# Altium PCB SEG_pressure gauge_don  V2.3.PcbDoc (part 4 of 4)
Units mil, origin at the board's own origin, x right, y up, seen from the top; angles counter-clockwise.
Board outline 2755.91 x 2755.91 mil, 2 copper layers (Top Layer, Bottom Layer); 36 components, 44 nets, 129 pads, 10 vias.
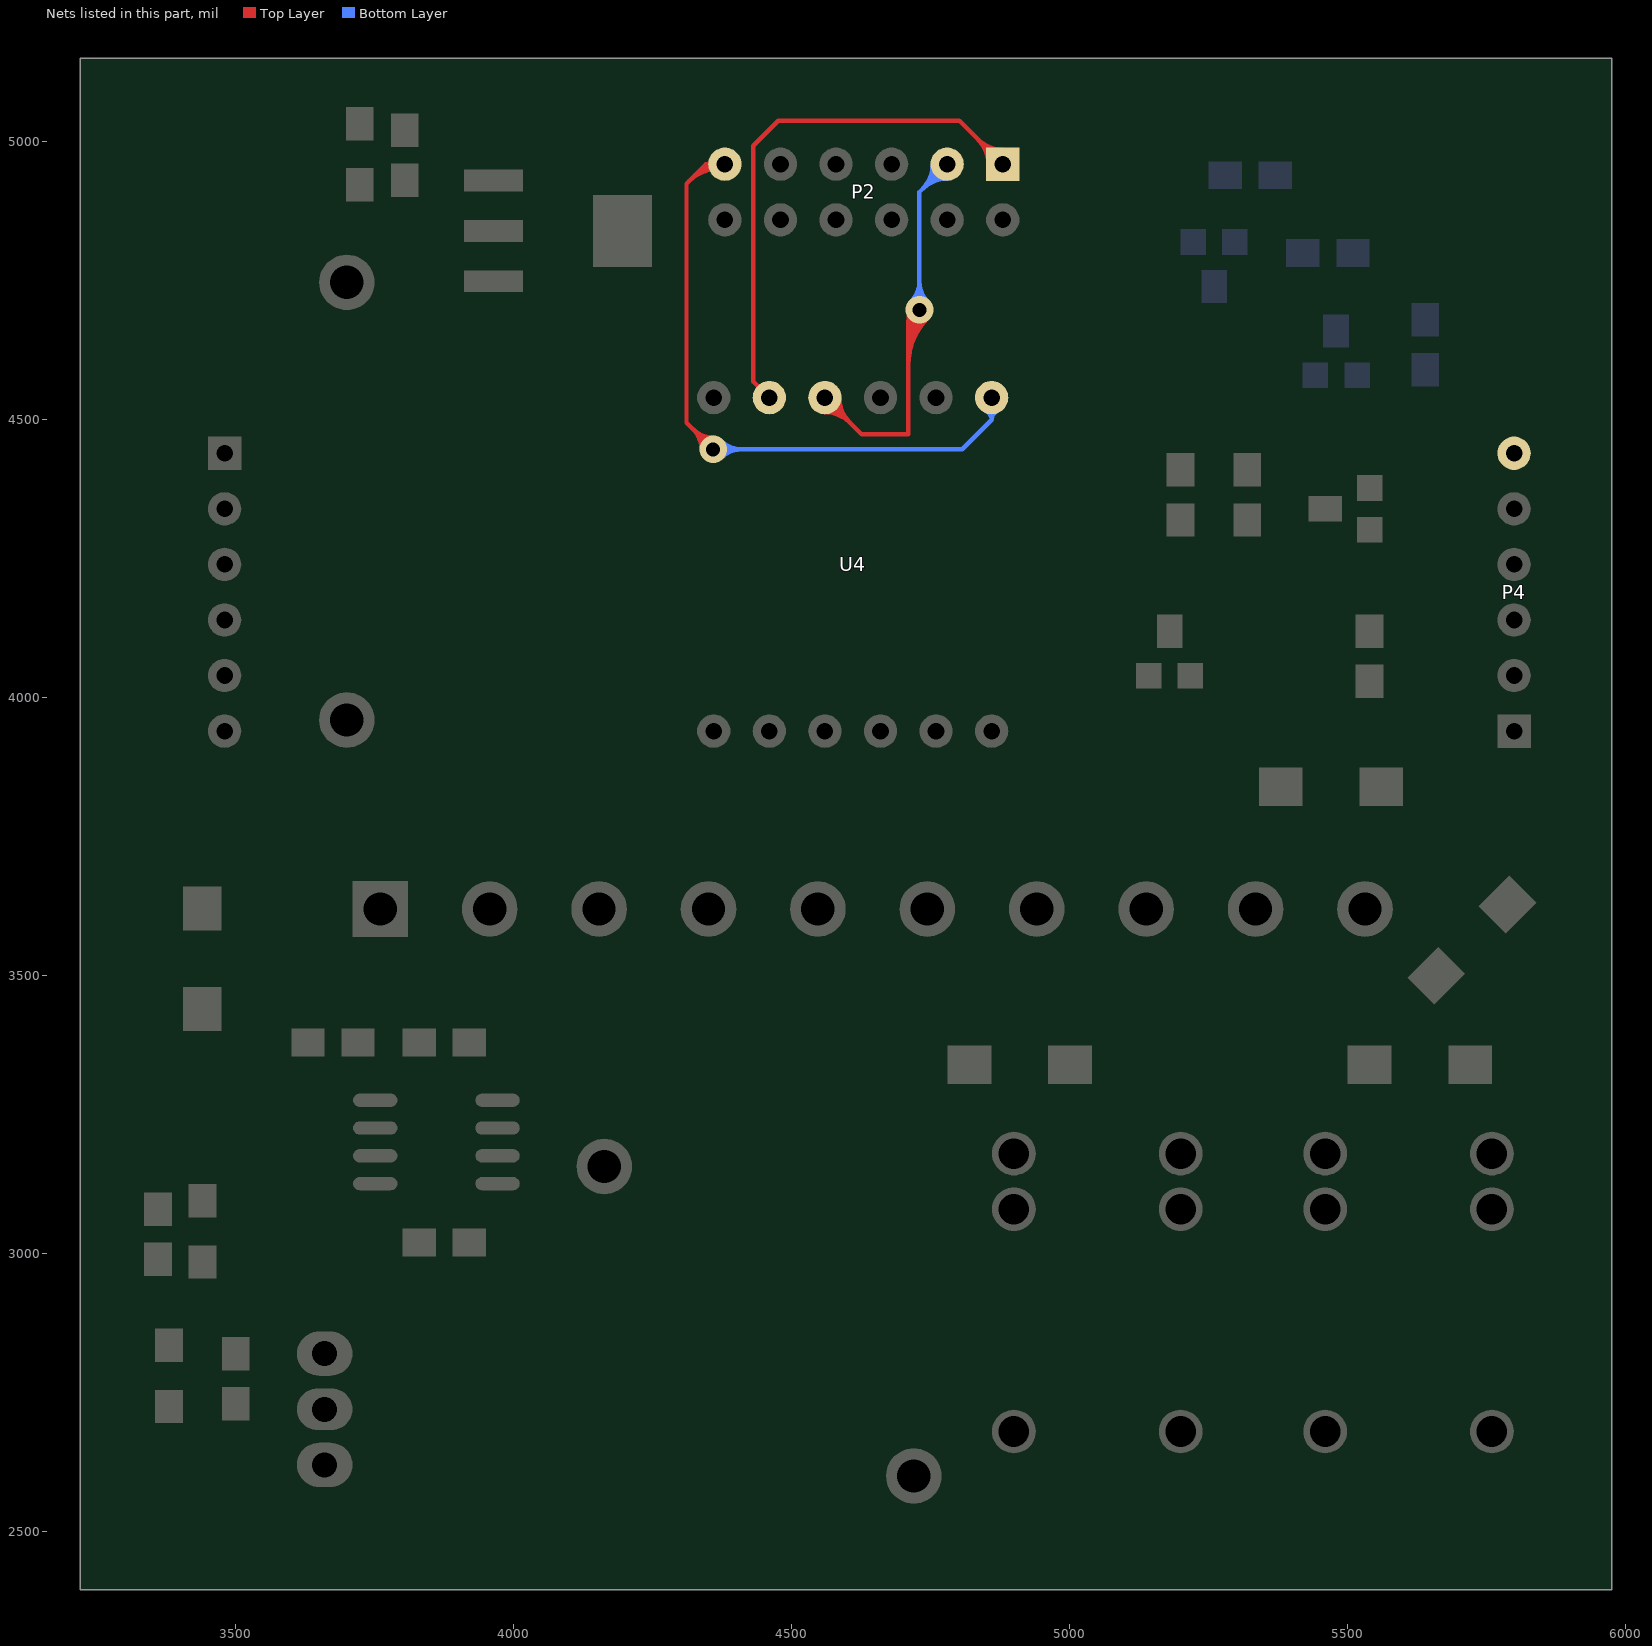
[diagram p4: the nets of this part, all layers, seen from the top]

## Via types
v1: diameter 50, hole 28, Top Layer to Bottom Layer, 7 vias
v2: diameter 50, hole 25, Top Layer to Bottom Layer, 2 vias
v3: diameter 31.5, hole 19.68, Top Layer to Bottom Layer, 1 vias

## Nets (pads, with @x,y where several pads share a name; then routed paths per layer and width w, separated by ;. In a path a pad name is that pad's centre, name@x,y a point inside that pad or via, vN(x,y) a via of type N, cw(c..) or ccw(c..) an arc to the next point about the centre after c; other vN are vias at no path point) (continued)
SEG9: P2.6 U4.1 | length 3499
  Top Layer w8: v2(4359,4447) 4311,4495 4311,4925 4346,4960 P2.6@4380,4960 ; 4316.06,4930.06 cw(c4366.79,4879.34) P2.6@4378.38,4950.13 ; 4316.06,4930.06 cw(c4366.79,4879.34) P2.6@4378.38,4950.13 ; 4316.06,4930.06 cw(c4366.79,4879.34) P2.6@4378.38,4950.13 ; 4316.06,4930.06 cw(c4366.79,4879.34) P2.6@4378.38,4950.13 ; 4316.06,4930.06 cw(c4366.79,4879.34) P2.6@4378.38,4950.13 ; 4323.15,4482.85 cw(c4287.3,4447) v2@4338,4447 ; 4323.15,4482.85 ccw(c4359,4518.7) v2@4359,4468 ; 4323.15,4482.85 cw(c4287.3,4447) v2@4338,4447 ; 4323.15,4482.85 ccw(c4359,4518.7) v2@4359,4468 ; 4323.15,4482.85 cw(c4287.3,4447) v2@4338,4447 ; 4323.15,4482.85 ccw(c4359,4518.7) v2@4359,4468 ; 4323.15,4482.85 ccw(c4359,4518.7) v2@4359,4468 ; 4323.15,4482.85 cw(c4287.3,4447) v2@4338,4447 ; 4323.15,4482.85 ccw(c4359,4518.7) v2@4359,4468 ; 4323.15,4482.85 cw(c4287.3,4447) v2@4338,4447 ; 4327.09,4941.09 cw(c4369.89,4898.3) P2.6@4379.68,4958.03 ; 4327.09,4941.09 cw(c4369.89,4898.3) P2.6@4379.68,4958.03 ; 4327.09,4941.09 cw(c4369.89,4898.3) P2.6@4379.68,4958.03 ; 4327.09,4941.09 cw(c4369.89,4898.3) P2.6@4379.68,4958.03 ; 4327.09,4941.09 cw(c4369.89,4898.3) P2.6@4379.68,4958.03 ; 4336.81,4469.19 cw(c4314.62,4447) v2@4346,4447 ; 4336.81,4469.19 ccw(c4359,4491.38) v2@4359,4460 ; 4336.81,4469.19 cw(c4314.62,4447) v2@4346,4447 ; 4336.81,4469.19 ccw(c4359,4491.38) v2@4359,4460 ; 4336.81,4469.19 cw(c4314.62,4447) v2@4346,4447 ; 4336.81,4469.19 ccw(c4359,4491.38) v2@4359,4460 ; 4336.81,4469.19 ccw(c4359,4491.38) v2@4359,4460 ; 4336.81,4469.19 cw(c4314.62,4447) v2@4346,4447 ; 4336.81,4469.19 ccw(c4359,4491.38) v2@4359,4460 ; 4336.81,4469.19 cw(c4314.62,4447) v2@4346,4447 ; 4338.12,4952.12 cw(c4373,4917.25) P2.6@4380.97,4965.92 ; 4338.12,4952.12 cw(c4373,4917.25) P2.6@4380.97,4965.92 ; 4338.12,4952.12 cw(c4373,4917.25) P2.6@4380.97,4965.92 ; 4338.12,4952.12 cw(c4373,4917.25) P2.6@4380.97,4965.92 ; 4338.12,4952.12 cw(c4373,4917.25) P2.6@4380.97,4965.92
  Bottom Layer w8: v2(4359,4447) 4807,4447 4860,4500 ; U4.1@4860,4540 4860,4500 ; v2@4368.19,4437.81 cw(c4390.38,4415.62) 4390.38,4447 ; v2@4368.19,4437.81 cw(c4390.38,4415.62) 4390.38,4447 ; v2@4368.19,4437.81 cw(c4390.38,4415.62) 4390.38,4447 ; v2@4368.19,4437.81 cw(c4390.38,4415.62) 4390.38,4447 ; v2@4368.19,4437.81 cw(c4390.38,4415.62) 4390.38,4447 ; v2@4368.19,4456.19 ccw(c4390.38,4478.38) 4390.38,4447 ; v2@4368.19,4456.19 ccw(c4390.38,4478.38) 4390.38,4447 ; v2@4368.19,4456.19 ccw(c4390.38,4478.38) 4390.38,4447 ; v2@4368.19,4456.19 ccw(c4390.38,4478.38) 4390.38,4447 ; v2@4368.19,4456.19 ccw(c4390.38,4478.38) 4390.38,4447 ; v2@4373.85,4432.15 cw(c4409.7,4396.3) 4409.7,4447 ; v2@4373.85,4432.15 cw(c4409.7,4396.3) 4409.7,4447 ; v2@4373.85,4432.15 cw(c4409.7,4396.3) 4409.7,4447 ; v2@4373.85,4432.15 cw(c4409.7,4396.3) 4409.7,4447 ; v2@4373.85,4432.15 cw(c4409.7,4396.3) 4409.7,4447 ; v2@4373.85,4461.85 ccw(c4409.7,4497.7) 4409.7,4447 ; v2@4373.85,4461.85 ccw(c4409.7,4497.7) 4409.7,4447 ; v2@4373.85,4461.85 ccw(c4409.7,4497.7) 4409.7,4447 ; v2@4373.85,4461.85 ccw(c4409.7,4497.7) 4409.7,4447 ; v2@4373.85,4461.85 ccw(c4409.7,4497.7) 4409.7,4447 ; U4.1@4849.45,4516.24 cw(c4842.23,4500) 4860,4500 ; U4.1@4849.45,4516.24 cw(c4842.23,4500) 4860,4500 ; U4.1@4849.45,4516.24 cw(c4842.23,4500) 4860,4500 ; U4.1@4849.45,4516.24 cw(c4842.23,4500) 4860,4500 ; U4.1@4849.45,4516.24 cw(c4842.23,4500) 4860,4500 ; 4860,4500 cw(c4877.77,4500) U4.1@4870.55,4516.24 ; 4860,4500 cw(c4877.77,4500) U4.1@4870.55,4516.24 ; 4860,4500 cw(c4877.77,4500) U4.1@4870.55,4516.24 ; 4860,4500 cw(c4877.77,4500) U4.1@4870.55,4516.24 ; 4860,4500 cw(c4877.77,4500) U4.1@4870.55,4516.24
SEG10: P2.2 U4.2 | length 4583.4
  Top Layer w8: U4.2@4560,4540 4626,4474 4710,4474 4710,4678 v2(4730,4698) ; U4.2@4560,4514 cw(c4560,4451.23) 4604.38,4495.62 ; U4.2@4560,4514 cw(c4560,4451.23) 4604.38,4495.62 ; U4.2@4560,4514 cw(c4560,4451.23) 4604.38,4495.62 ; U4.2@4560,4514 cw(c4560,4451.23) 4604.38,4495.62 ; U4.2@4560,4514 cw(c4560,4451.23) 4604.38,4495.62 ; U4.2@4560,4522 cw(c4560,4478.54) 4590.73,4509.27 ; U4.2@4560,4522 cw(c4560,4478.54) 4590.73,4509.27 ; U4.2@4560,4522 cw(c4560,4478.54) 4590.73,4509.27 ; U4.2@4560,4522 cw(c4560,4478.54) 4590.73,4509.27 ; U4.2@4560,4522 cw(c4560,4478.54) 4590.73,4509.27 ; U4.2@4578,4540 ccw(c4621.46,4540) 4590.73,4509.27 ; U4.2@4578,4540 ccw(c4621.46,4540) 4590.73,4509.27 ; U4.2@4578,4540 ccw(c4621.46,4540) 4590.73,4509.27 ; U4.2@4578,4540 ccw(c4621.46,4540) 4590.73,4509.27 ; U4.2@4578,4540 ccw(c4621.46,4540) 4590.73,4509.27 ; U4.2@4586,4540 ccw(c4648.77,4540) 4604.38,4495.62 ; U4.2@4586,4540 ccw(c4648.77,4540) 4604.38,4495.62 ; U4.2@4586,4540 ccw(c4648.77,4540) 4604.38,4495.62 ; U4.2@4586,4540 ccw(c4648.77,4540) 4604.38,4495.62 ; U4.2@4586,4540 ccw(c4648.77,4540) 4604.38,4495.62 ; 4710,4599.02 cw(c4828.98,4599.02) v2@4744.85,4683.15 ; 4710,4599.02 cw(c4828.98,4599.02) v2@4744.85,4683.15 ; 4710,4599.02 cw(c4828.98,4599.02) v2@4744.85,4683.15 ; 4710,4599.02 cw(c4828.98,4599.02) v2@4744.85,4683.15 ; 4710,4599.02 cw(c4828.98,4599.02) v2@4744.85,4683.15 ; 4710,4618.33 cw(c4809.67,4618.33) v2@4739.19,4688.81 ; 4710,4618.33 cw(c4809.67,4618.33) v2@4739.19,4688.81 ; 4710,4618.33 cw(c4809.67,4618.33) v2@4739.19,4688.81 ; 4710,4618.33 cw(c4809.67,4618.33) v2@4739.19,4688.81 ; 4710,4618.33 cw(c4809.67,4618.33) v2@4739.19,4688.81 ; 4710,4637.64 cw(c4790.36,4637.64) v2@4733.54,4694.46 ; 4710,4637.64 cw(c4790.36,4637.64) v2@4733.54,4694.46 ; 4710,4637.64 cw(c4790.36,4637.64) v2@4733.54,4694.46 ; 4710,4637.64 cw(c4790.36,4637.64) v2@4733.54,4694.46 ; 4710,4637.64 cw(c4790.36,4637.64) v2@4733.54,4694.46 ; 4710,4656.96 cw(c4771.04,4656.96) v2@4727.88,4700.12 ; 4710,4656.96 cw(c4771.04,4656.96) v2@4727.88,4700.12 ; 4710,4656.96 cw(c4771.04,4656.96) v2@4727.88,4700.12 ; 4710,4656.96 cw(c4771.04,4656.96) v2@4727.88,4700.12 ; 4710,4656.96 cw(c4771.04,4656.96) v2@4727.88,4700.12 ; 4710,4676.27 cw(c4751.73,4676.27) v2@4722.22,4705.78 ; 4710,4676.27 cw(c4751.73,4676.27) v2@4722.22,4705.78 ; 4710,4676.27 cw(c4751.73,4676.27) v2@4722.22,4705.78 ; 4710,4676.27 cw(c4751.73,4676.27) v2@4722.22,4705.78 ; 4710,4676.27 cw(c4751.73,4676.27) v2@4722.22,4705.78
  Bottom Layer w8: v2(4730,4698) 4730,4910 P2.2@4780,4960 ; v2@4715.15,4712.85 ccw(c4679.3,4748.7) 4730,4748.7 ; v2@4715.15,4712.85 ccw(c4679.3,4748.7) 4730,4748.7 ; v2@4715.15,4712.85 ccw(c4679.3,4748.7) 4730,4748.7 ; v2@4715.15,4712.85 ccw(c4679.3,4748.7) 4730,4748.7 ; v2@4715.15,4712.85 ccw(c4679.3,4748.7) 4730,4748.7 ; v2@4720.81,4707.19 ccw(c4698.62,4729.38) 4730,4729.38 ; v2@4720.81,4707.19 ccw(c4698.62,4729.38) 4730,4729.38 ; v2@4720.81,4707.19 ccw(c4698.62,4729.38) 4730,4729.38 ; v2@4720.81,4707.19 ccw(c4698.62,4729.38) 4730,4729.38 ; v2@4720.81,4707.19 ccw(c4698.62,4729.38) 4730,4729.38 ; 4730,4729.38 ccw(c4761.38,4729.38) v2@4739.19,4707.19 ; 4730,4729.38 ccw(c4761.38,4729.38) v2@4739.19,4707.19 ; 4730,4729.38 ccw(c4761.38,4729.38) v2@4739.19,4707.19 ; 4730,4729.38 ccw(c4761.38,4729.38) v2@4739.19,4707.19 ; 4730,4729.38 ccw(c4761.38,4729.38) v2@4739.19,4707.19 ; 4730,4748.7 ccw(c4780.7,4748.7) v2@4744.85,4712.85 ; 4730,4748.7 ccw(c4780.7,4748.7) v2@4744.85,4712.85 ; 4730,4748.7 ccw(c4780.7,4748.7) v2@4744.85,4712.85 ; 4730,4748.7 ccw(c4780.7,4748.7) v2@4744.85,4712.85 ; 4730,4748.7 ccw(c4780.7,4748.7) v2@4744.85,4712.85 ; 4735.62,4915.62 cw(c4780,4871.23) P2.2@4780,4934 ; 4735.62,4915.62 ccw(c4691.23,4960) P2.2@4754,4960 ; 4735.62,4915.62 cw(c4780,4871.23) P2.2@4780,4934 ; 4735.62,4915.62 ccw(c4691.23,4960) P2.2@4754,4960 ; 4735.62,4915.62 cw(c4780,4871.23) P2.2@4780,4934 ; 4735.62,4915.62 ccw(c4691.23,4960) P2.2@4754,4960 ; 4735.62,4915.62 ccw(c4691.23,4960) P2.2@4754,4960 ; 4735.62,4915.62 cw(c4780,4871.23) P2.2@4780,4934 ; 4735.62,4915.62 ccw(c4691.23,4960) P2.2@4754,4960 ; 4735.62,4915.62 cw(c4780,4871.23) P2.2@4780,4934 ; 4749.27,4929.27 cw(c4780,4898.54) P2.2@4780,4942 ; 4749.27,4929.27 ccw(c4718.54,4960) P2.2@4762,4960 ; 4749.27,4929.27 cw(c4780,4898.54) P2.2@4780,4942 ; 4749.27,4929.27 ccw(c4718.54,4960) P2.2@4762,4960 ; 4749.27,4929.27 cw(c4780,4898.54) P2.2@4780,4942 ; 4749.27,4929.27 ccw(c4718.54,4960) P2.2@4762,4960 ; 4749.27,4929.27 ccw(c4718.54,4960) P2.2@4762,4960 ; 4749.27,4929.27 cw(c4780,4898.54) P2.2@4780,4942 ; 4749.27,4929.27 ccw(c4718.54,4960) P2.2@4762,4960 ; 4749.27,4929.27 cw(c4780,4898.54) P2.2@4780,4942
SEG11: P2.1 U4.3 | length 1799.3
  Top Layer w8: U4.3@4460,4540 4431,4569 4431,4993 4476,5038 4802,5038 P2.1@4880,4960 ; 4835.62,5004.38 cw(c4791.23,4960) P2.1@4854,4960 ; 4835.62,5004.38 ccw(c4880,5048.77) P2.1@4880,4986 ; 4835.62,5004.38 cw(c4791.23,4960) P2.1@4854,4960 ; 4835.62,5004.38 ccw(c4880,5048.77) P2.1@4880,4986 ; 4835.62,5004.38 cw(c4791.23,4960) P2.1@4854,4960 ; 4835.62,5004.38 ccw(c4880,5048.77) P2.1@4880,4986 ; 4835.62,5004.38 ccw(c4880,5048.77) P2.1@4880,4986 ; 4835.62,5004.38 cw(c4791.23,4960) P2.1@4854,4960 ; 4835.62,5004.38 ccw(c4880,5048.77) P2.1@4880,4986 ; 4835.62,5004.38 cw(c4791.23,4960) P2.1@4854,4960 ; 4849.27,4990.73 cw(c4818.54,4960) P2.1@4862,4960 ; 4849.27,4990.73 ccw(c4880,5021.46) P2.1@4880,4978 ; 4849.27,4990.73 cw(c4818.54,4960) P2.1@4862,4960 ; 4849.27,4990.73 ccw(c4880,5021.46) P2.1@4880,4978 ; 4849.27,4990.73 cw(c4818.54,4960) P2.1@4862,4960 ; 4849.27,4990.73 ccw(c4880,5021.46) P2.1@4880,4978 ; 4849.27,4990.73 ccw(c4880,5021.46) P2.1@4880,4978 ; 4849.27,4990.73 cw(c4818.54,4960) P2.1@4862,4960 ; 4849.27,4990.73 ccw(c4880,5021.46) P2.1@4880,4978 ; 4849.27,4990.73 cw(c4818.54,4960) P2.1@4862,4960
TX: P4.6
pads on no net: K1.2 K2.2 P2.3 U2.4 U4.6

## Polygon pours and split planes (outlines as drawn)
CHUAN- on Top Layer "Bottom Layer-No Net" (solid, remove dead copper, pour order 1000): 4497,1536 4887,1926 6397,1926 6397,3412 6941,3956 6446,4451 6446,5734 2735,5734 2703,5766 2557,5620 2557,2251
CHUAN- on Bottom Layer "Bottom Layer-No Net" (solid, remove dead copper, pour order 1001): 6759,5381 6759,3234 6814,3179 6659,3024 6659,2087 3448,2087 3398,2037 2838,2597 2838,4760 2838,5508 3038,5708

## Keep-outs
Keep-Out Layer:
  lines w10: 3270.18,4743 cw(c3582.1,4786.67) 3625.77,5098.58 ; 3270.24,2789.28 ccw(c3583.65,2758.16) 3550,2445 ; 5609,2446.18 ccw(c5604.95,2765.95) 5924.72,2770 ; 5615,5102 cw(c5613.42,4787.04) 5925.85,4747.26
  lines w11.81: 3270.18,2786 3270.18,4747 ; 3534,2446.18 5601,2446.18 5610,2446.18 ; 3612,5099.72 5624,5099.72 ; 5924.72,2751 5924.72,4818

## Other copper
Bottom Layer:
  text "Gauge_TV2.3" at 4545,2663 h60

## Silkscreen, mask and mechanical layers (free items; w line width, h text height)
Bottom Overlay:
  lines w10: 4548,3361 4548,3334 4560,3322 ; 4563,3320 4643,3320 ; 4611,3347 4658,3347 ; 4660,3346 4685,3321 4738,3321 ; 4737,3322 4746,3331 4746,3362 ; 4934,3360 4934,3333 4946,3321 ; 4943,3325 4949,3319 5032,3319 ; 5014,3342 5015,3341 5056,3341 5076,3321 5114,3321 5128,3335 5128,3358 5127,3359
  text "传感地" at 3992,3348 h120 r90
  text "信号+" at 4187,3348 h120 r90
  text "信号-" at 4386,3348 h120 r90
  text "传感器电源" at 3782,3345 h120 r90
  text "GND" at 5386,3319 h60 r90
  text "24V" at 5590,3313 h60 r90
  text "下限" at 4733,3229 h80
  text "上限" at 5124,3225 h80
Drill Drawing:
  text ".LEGEND" at 630.91,5965 h60
  text "Drill Drawing." at 630.91,5865 h60

## Text inside footprints (layer, text, board x,y; h text height)
P2: Top Overlay "7" at 4980,4880 h50 r180; Top Overlay "1" at 4980,4980 h50 r180; Top Overlay "6" at 4300,4980 h50 r180; Top Overlay "12" at 4300,4880 h50 r180